# Altium PCB display.PcbDoc (part 3 of 5) (continued)
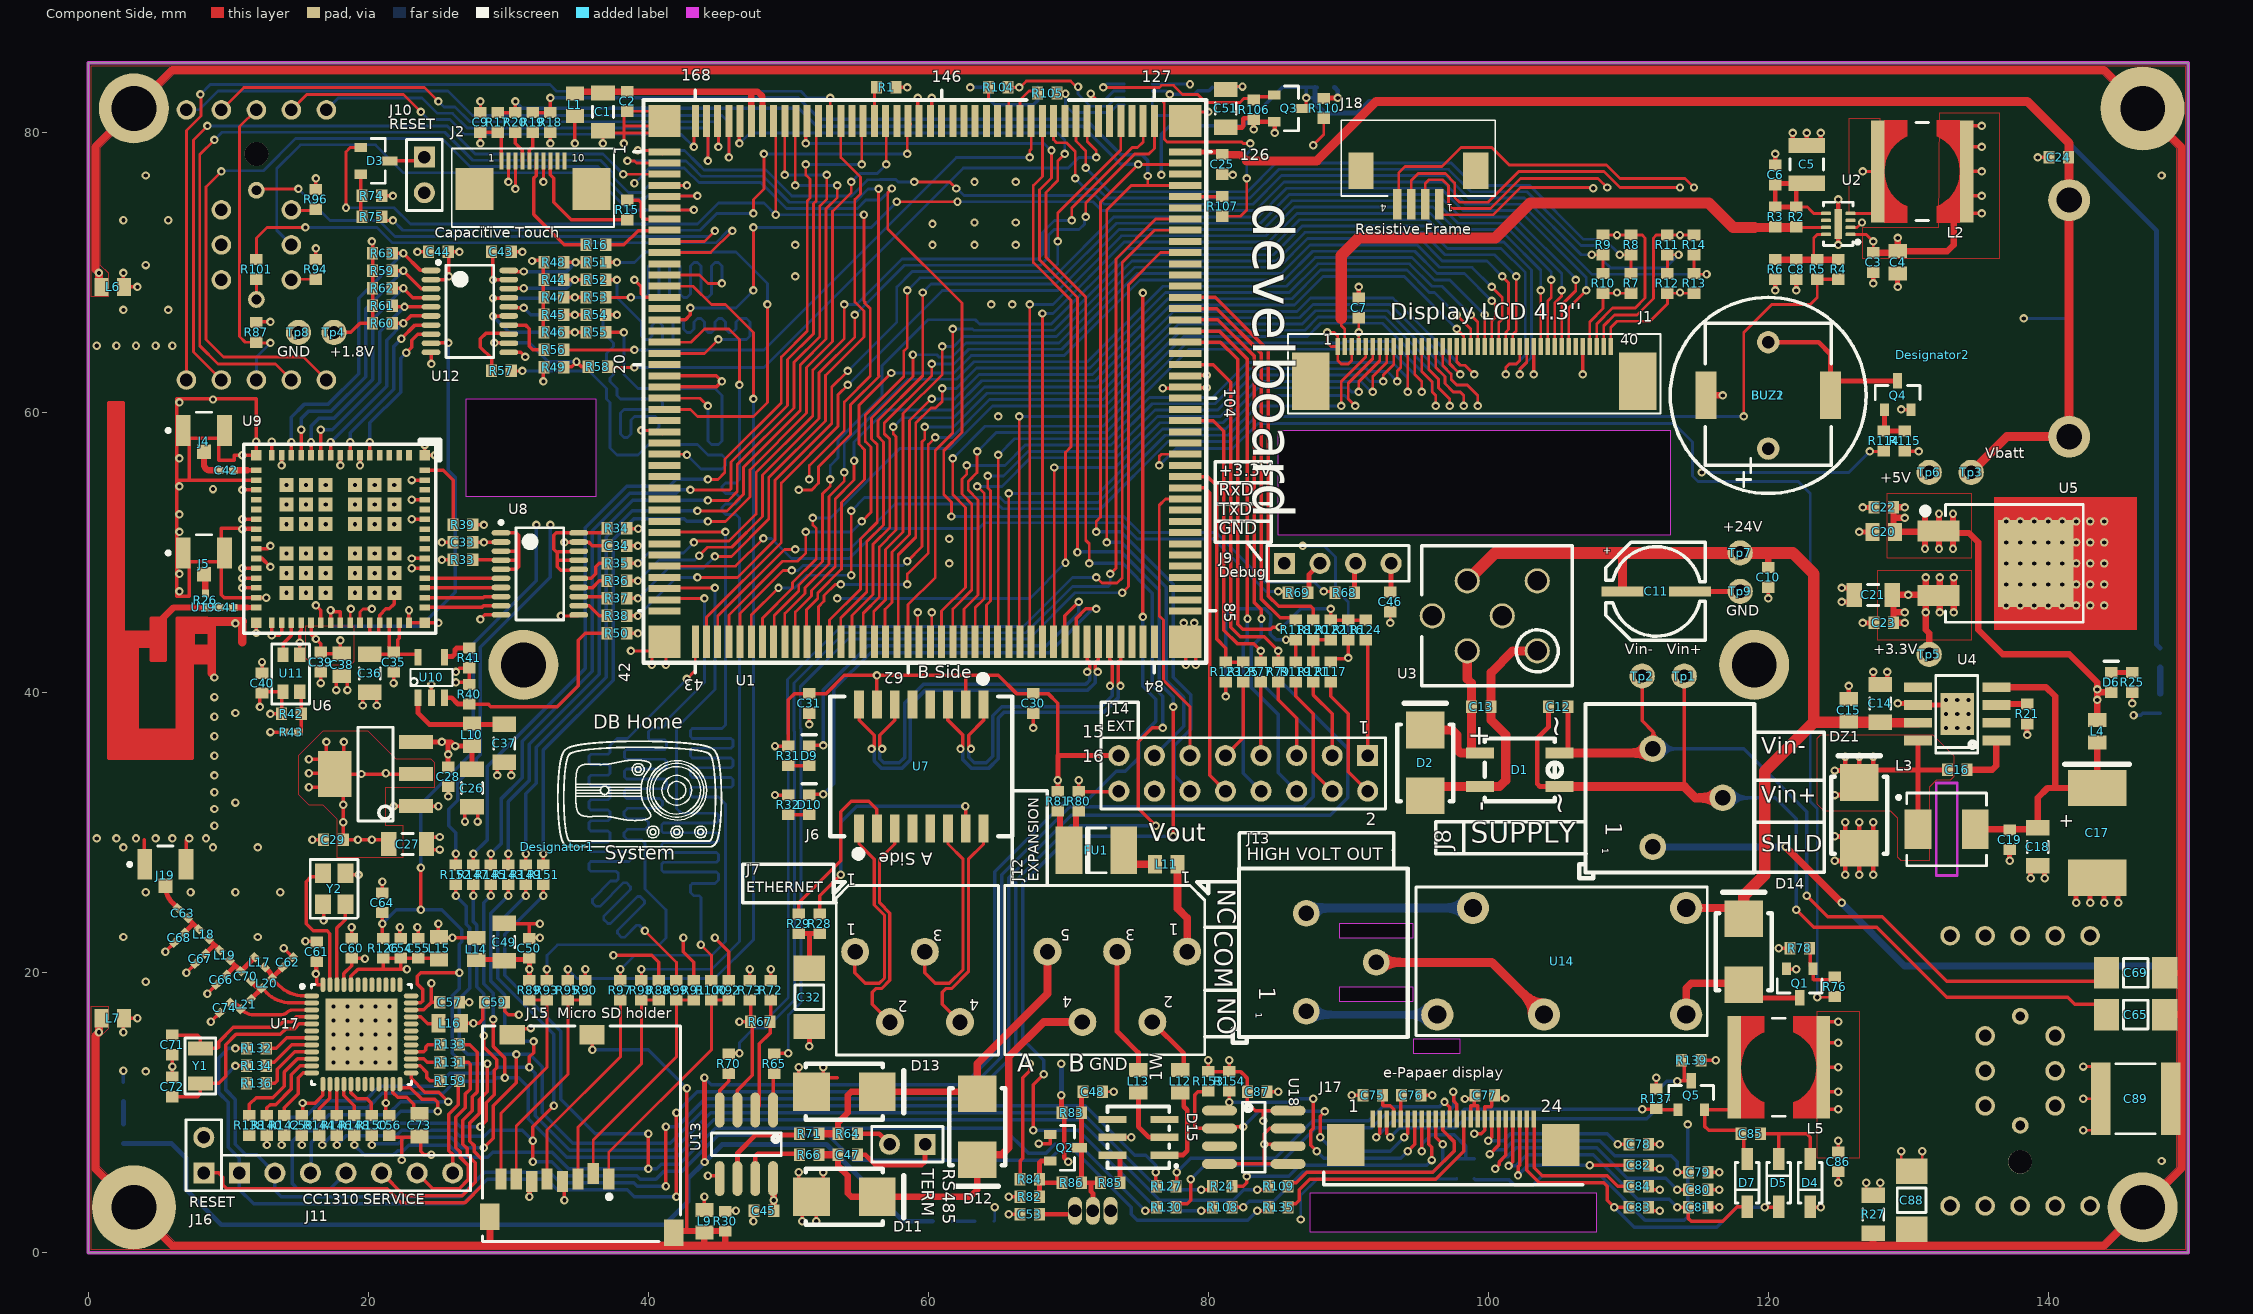
[diagram p0: Component Side view]
## Nets (pads, with @x,y where several pads share a name; then routed paths per layer and width w, separated by ;. In a path a pad name is that pad's centre, name@x,y a point inside that pad or via, vN(x,y) a via of type N, cw(c..) or ccw(c..) an arc to the next point about the centre after c; other vN are vias at no path point) (continued)
  Bottom Layer w0.35: D18.2@2.5,9.2 R112.1@2.5,10.8
NetD19_2: D19.2 R113.1 | length 1.8
  Bottom Layer w0.45: R113.1@148,39.95 D19.2@148,41.8
NetFU1_1: FU1.1 R80.1 R81.1 | length 5.3
  Component Side w0.45: FU1.1@69.4,29.25 R81.1@69.4,31.6 ; FU1.1@70.05,28.75 FU1.1@70.5,29.2 ; FU1.1@70.55,29.2 R80.1@70.55,31.55
NetFU1_2: FU1.2 L11.1 | length 3.3
  Component Side w0.55: FU1.2@73.95,28.75 73.95,27.75 L11.1@76.2,27.75
NetJ1_37: J1.37 J18.1 R7.1 R10.1 | length 26.9
  Component Side w0.2: J18.1@96.5,74.9 96.5,74.15 100.35,74.15 102.3,76.1 107.45,76.1 v1(107.5,76.05) ; J1.37@107.25,64.74 107.25,66.5 108.2,67.45 R10.1@108.2,68.55 R7.1@110.2,68.55
  Inner w0.2: v1(107.5,76.05) 108.4,75.15 108.4,71 109.2,70.2 v1(109.2,68.6)
NetJ1_38: J1.38 J18.2 R8.1 R9.1 | length 33.8
  Component Side w0.2: J18.2@95.5,74.9 95.5,76.4 95.75,76.65 96.75,76.65 97.15,76.25 97.15,74.85 97.4,74.6 100.164,74.6 102.314,76.75 107.85,76.75 v1(108.5,76.1) ; J1.38@107.75,64.74 107.75,66.364 108.886,67.5 110.5,67.5 111.2,68.2 111.2,72.5 111,72.7 R8.1@110.2,72.7 108.7,72.7
  Inner w0.2: v1(108.5,76.1) 109.2,75.4 v1(109.2,72.7)
NetJ1_39: J1.39 J18.3 R11.1 R14.1 | length 40.1
  Component Side w0.2: J18.3@94.5,74.9 94.5,76.6 95,77.1 96.936,77.1 97.6,76.436 97.6,75.4 97.95,75.05 99.977,75.05 102.177,77.25 108.269,77.25 109.419,76.1 v1(113.7,76.1) ; J1.39@108.25,64.74 108.25,66.227 109.023,67 110.636,67 111.8,68.164 111.8,72.5 112,72.7 R11.1@112.8,72.7 R14.1@114.3,72.7
  Inner w0.2: v1(113.7,72.7) v1(113.7,76.1)
NetJ1_40: J1.40 J18.4 R12.1 R13.1 | length 42
  Component Side w0.2: J18.4@93.5,74.9 93.6,75 93.6,77.136 94.064,77.6 96.705,77.6 98.055,78.95 100.25,78.95 101.5,77.7 108.456,77.7 109.406,76.75 114.05,76.75 v1(114.7,76.1) ; J1.40@108.75,64.74 108.75,66.091 109.209,66.55 111.55,66.55 112.8,67.8 R12.1@112.8,68.55 R13.1@114.7,68.55
  Inner w0.2: v1(113.7,68.6) 114.4,69.3 114.4,75.8 v1(114.7,76.1)
NetJ2_4: J2.4 R20.1 | length 2.3
  Component Side w0.25: R20.1@30.5,80.05 30.5,79.25 31,78.75 J2.4@31,77.99
NetJ2_5: J2.5 R19.1 | length 2.2
  Component Side w0.25: J2.5@31.5,77.99 31.5,78.75 31.75,79 R19.1@31.75,80.05
NetJ2_6: J2.6 R16.1 | length 8.5
  Component Side w0.25: J2.6@32,77.99 32,76.954 31.825,76.779 31.825,74.175 34,72 R16.1@35.55,72
NetJ2_8: J2.8 R15.1 | length 8.8
  Component Side w0.25: J2.8@33,77.99 33,77 33.25,76.75 33.25,75.05 34.5,73.8 R15.1@38.5,73.8
NetJ5_3: J5.3 R26.1 | length 1.2
  Component Side w0.45: R26.1@8.35,47.1 J5.3@8.35,48.325
NetJ7_2: J7.2 R64.1 | length 2.6
  Component Side w0.35: R64.1@54.95,8.5 56.48,8.5 J7.2@57.23,7.75
NetJ9_2: J9.2 R69.2 | length 2.3
  Component Side w0.35: R69.2@87.2,47.25 87.2,48.47 J9.2@87.98,49.25
NetJ9_3: J9.3 R68.2 | length 2
  Component Side w0.35: R68.2@90.45,47.25 90.45,49.18 J9.3@90.52,49.25
NetJ12_1: J12.1 L11.2 | length 6.5
  Component Side w0.55: L11.2@77.8,27.75 77.8,24.6 78.489,23.911 J12.1@78.489,21.51
NetJ12_2: J12.2 L12.2 | length 4.4
  Component Side w0.35: J12.2@76.004,16.49 78.25,14.243 L12.2@78.25,13.05
NetJ12_3: J12.3 L13.2 | length 9.1
  Component Side w0.35: J12.3@73.489,21.51 73.489,15.811 75,14.3 L13.2@75,13.05
NetJ13_1: J13.1 U14.NO | length 9.5
  Bottom Layer w0.55: J13.1@87,17.25 87.25,17 96.345,17 U14.NO@96.36,17.015
NetJ13_2: J13.2 U14.COM | length 13.5
  Component Side w0.65: J13.2@92,20.75 100.245,20.75 U14.COM@103.98,17.015
NetJ13_3: J13.3 U14.NC | length 12.1
  Bottom Layer w0.65: J13.3@87,24.25 87.385,24.635 U14.NC@98.9,24.635
NetJ14_5: J14.5 R79.2 | length 6.1
  Component Side w0.25: R79.2@85,41.05 R79.2@85,40.8 85,39.5 86.31,38.19 J14.5@86.31,35.52
NetJ14_7: J14.7 R77.2 | length 5.5
  Component Side w0.25: J14.7@83.75,35.54 R77.2@83.75,40.8 R77.2@83.75,41.05
NetJ17_8: J17.8 R22.1 R23.1 | length 8.7
  Component Side w0.25: v1(95.25,7.25) J17.8@95.25,9.56
  Bottom Layer w0.25: v1(95.25,7.25) 95.25,7.75 95.925,8.425 97.575,8.425 98.375,7.625 98.375,6.7 ; R23.1@97.75,6.7 98.375,6.7 ; R22.1@99,6.7 98.375,6.7
NetJ17_9: J17.9 R24.1 | length 18.3
  Component Side w0.25: R24.1@81.7,4.75 82.5,4.75 82.75,5 v1(82.75,5.457) ; J17.9@95.75,9.56 95.75,7.75 95.961,7.539 v1(95.961,6.618)
  Bottom Layer w0.25: v1(82.75,5.457) 85.75,5.457 86.543,6.25 95.593,6.25 v1(95.961,6.618)
NetJ17_10: J17.10 R108.1 | length 19.7
  Component Side w0.25: R108.1@81.7,3.25 v1(82.5,3.25) ; J17.10@96.25,9.56 96.25,8.25 v1(96.75,7.75)
  Bottom Layer w0.25: v1(82.5,3.25) 82.925,3.675 84.675,3.675 86.75,5.75 96.048,5.75 96.75,6.452 v1(96.75,7.75)
NetJ17_11: J17.11 R109.1 | length 15.6
  Component Side w0.25: R109.1@85.7,4.75 85.95,5 86.28,5 87.03,5.75 96.048,5.75 97.586,7.288 97.586,7.914 96.75,8.75 J17.11@96.75,9.56
NetJ17_12: J17.12 R127.1 | length 23.6
  Component Side w0.25: R127.1@77.7,4.75 77.75,4.8 v1(77.75,5.75) ; v1(96.875,10.782) 97.25,10.406 J17.12@97.25,9.56
  Bottom Layer w0.25: v1(77.75,5.75) 78.75,6.75 84.793,6.75 87.468,9.425 88.487,9.425 91.468,9.425 92.468,10.425 96.518,10.425 v1(96.875,10.782)
NetJ17_13: J17.13 R130.1 | length 26.7
  Component Side w0.25: R130.1@77.7,3.5 78.5,3.5 78.75,3.75 v1(78.75,5.25) ; v1(97.5,11.5) 97.55,11.45 97.55,10.814 97.75,10.614 J17.13@97.75,9.56
  Bottom Layer w0.25: v1(78.75,5.25) 79.75,6.25 85,6.25 87.675,8.925 88.28,8.925 91.675,8.925 92.675,9.925 96.973,9.925 97.55,10.502 97.55,11.45 v1(97.5,11.5)
NetJ17_14: J17.14 R135.1 | length 16.9
  Component Side w0.25: R135.1@85.7,3.5 86.25,3.5 86.5,3.75 86.5,4.513 87.237,5.25 96.255,5.25 98.25,7.245 98.25,7.75 J17.14@98.25,9.56
NetQ1_1: Q1.1 R76.1 R78.2 | length 4
  Component Side w0.25: R78.2@122.95,21.75 123,21.7 123,20.5 123.206,20.294 Q1.1@123.25,20.25 ; Q1.1@123.2,20.288 123.2,19.55 123.25,19.5 R76.1@124.75,19.5
  Component Side w0.35: Q1.1@123.2,20.288 123.206,20.294 Q1.1@123.25,20.337
NetQ2_2: Q2.2 R82.1 R84.1 R86.1 | length 4.6
  Component Side w0.35: R82.1@67.95,4 R84.1@67.95,5.25 67.95,6.45 68.05,6.55 Q2.2@68.712,6.55 ; R84.1@68.2,5 R86.1@69.55,5
NetQ3_1: Q3.1 R106.2 U15.8 | length 14.7
  Component Side w0.2: v1(72.5,83.25) 76.5,83.25 76.65,83.4 77.519,83.4 78.169,82.75 79.245,82.75 79.82,82.175 82.255,82.175 82.53,82.45 R106.2@83.25,82.45
  Component Side w0.25: R106.2@83.125,82.575 84.588,82.575 Q3.1@84.712,82.7
  Bottom Layer w0.2: v1(72.5,83.25) 72.75,83.5 U15.8@74,83.5
NetQ4_1: Q4.1 R114.1 R115.1 | length 3
  Component Side w0.35: Q4.1@128.3,60.212 128.3,58.75 R114.1@128.25,58.7 R115.1@129.75,58.7
NetR21_2: R21.2 U4.3 | length 2.2
  Component Side w0.45: U4.3@136.3,39.135 136.365,39.2 R21.2@138.5,39.2
NetR28_2: R28.2 U7.7 | length 18.1
  Component Side w0.25: R28.2@52.25,24.2 52.25,25.5 v1(53.75,27) ; v1(62.65,31.9) 62.675,31.875 U7.7@62.675,30.32
  Bottom Layer w0.25: v1(53.75,27) 53.75,30.75 54.9,31.9 v1(62.65,31.9)
NetR29_2: R29.2 U7.2 | length 13
  Component Side w0.25: R29.2@50.75,24.2 50.75,25 53.75,28 53.75,31.5 54.5,32.25 55.75,32.25 56.325,31.675 U7.2@56.325,30.32
NetR33_1: R33.1 U8.1 U8.3 U8.4 U8.5 | length 9.4
  Component Side w0.25: R33.1@27.45,49.5 U8.4@29.45,49.5 ; U8.5@29.475,48.825 30.575,48.825 30.75,49 30.75,49.5 ; U8.4@29.475,49.475 30.725,49.475 30.75,49.5 ; U8.3@29.475,50.125 30.625,50.125 ; U8.1@29.475,51.425 30.575,51.425 30.75,51.25 30.75,49.5
NetR34_1: R34.1 U8.16 U8.17 U8.18 U8.20 | length 11.2
  Component Side w0.25: U8.16@35.025,48.825 34.95,48.75 33.75,48.75 33.5,49 33.5,49.575 ; U8.17@35.025,49.475 33.6,49.475 33.5,49.575 ; U8.18@35.025,50.125 35.025,50.075 33.575,50.075 33.5,50 ; R34.1@37.05,51.75 36.725,51.425 U8.20@35.025,51.425 33.425,51.425 33.25,51.25 33.25,50.25 33.5,50 ; 33.5,49.575 33.5,50
NetR39_1: R39.1 U9.64 | length 5.5
  Component Side w0.25: U9.64@24.025,55.9 25.35,55.9 26.05,55.2 R39.1@26.05,52
NetR41_1: R41.1 U10.4 | length 2.2
  Component Side w0.35: U10.4@25.45,42.55 25.5,42.6 26,42.6 26.2,42.8 26.2,43.1 26.3,43.2 R41.1@27.2,43.2
NetR42_2: R42.2 R43.2 U11.1 | length 2.9
  Component Side w0.25: U11.1@15.1,40.075 15.2,39.975 R42.2@15.2,38.5 R43.2@15.2,37.2
NetR44_2: R44.2 R52.1 U12.18 | length 6.5
  Component Side w0.25: U12.18@30.1,68.9 v1(31.1,68.9) ; R44.2@33.95,69.5 v1(34.75,69.5) R52.1@35.55,69.5
  Bottom Layer w0.25: v1(31.1,68.9) 34.15,68.9 v1(34.75,69.5)
NetR45_2: R45.2 R54.1 U12.16 | length 6.5
  Component Side w0.25: U12.16@30.1,67.5 v1(31.1,67.5) ; R45.2@33.95,67 v1(34.75,67) R54.1@35.55,67
  Bottom Layer w0.25: v1(31.1,67.5) 31.6,67 v1(34.75,67)
NetR46_2: R46.2 R55.1 U12.15 | length 8.9
  Component Side w0.25: v1(28.9,66.9) U12.15@29.9,66.9 ; R46.2@33.95,65.75 v1(34.75,65.75) R55.1@35.55,65.75
  Bottom Layer w0.25: v1(28.9,66.9) 30.05,65.75 v1(34.75,65.75)
NetR47_2: R47.2 R53.1 U12.17 | length 8.5
  Component Side w0.25: v1(28.9,68.2) U12.17@29.9,68.2 ; R47.2@33.95,68.25 v1(34.75,68.25) R53.1@35.55,68.25
  Bottom Layer w0.25: v1(28.9,68.2) 34.7,68.2 v1(34.75,68.25)
NetR48_2: R48.2 R51.1 U12.20 | length 6.6
  Component Side w0.25: U12.20@30.1,70.1 v1(31.1,70.1) ; R48.2@33.95,70.75 v1(34.8,70.75) R51.1@35.55,70.75
  Bottom Layer w0.25: v1(31.1,70.1) 34.15,70.1 v1(34.8,70.75)
NetR49_2: R49.2 R58.1 U12.12 | length 9.4
  Component Side w0.25: v1(29,65) U12.12@30,65 ; R49.2@34.039,63.3 34.519,63.3 v1(34.869,63.65) 35.219,63.3 R58.1@35.7,63.3
  Bottom Layer w0.25: v1(29,65) 31.5,65 32.85,63.65 v1(34.869,63.65)
NetR56_1: R56.1 U12.14 | length 4
  Component Side w0.25: U12.14@30.025,66.275 31.225,66.275 31.5,66 31.5,64.75 31.75,64.5 R56.1@32.55,64.5
NetR57_1: R57.1 U12.13 | length 4.9
  Component Side w0.25: R57.1@28.8,63 28.8,63.9 28,64.7 28,65.3 28.375,65.675 30.025,65.675 U12.13@30.025,65.625
NetR65_1: R65.1 U13.1 | length 2.6
  Component Side w0.25: U13.1@48.905,10.2 48.905,12.705 R65.1@49,12.8
NetR66_1: R66.1 U13.7 | length 4.9
  Component Side w0.35: U13.7@47.635,5.3 47.635,6.885 47.825,7.075 50.725,7.075 R66.1@50.8,7
NetR67_1: R67.1 R72.2 U13.2 | length 8.3
  Component Side w0.25: U13.2@47.635,10.2 47.925,10.49 47.925,14.925 48.7,15.7 R67.1@48.7,16.5 48.75,16.55 R72.2@48.75,18.05
NetR70_1: R70.1 U13.4 | length 2.6
  Component Side w0.25: U13.4@45.095,10.5 45.095,11.595 45.75,12.25 R70.1@45.75,12.8
NetR71_1: R71.1 U13.6 | length 6.9
  Component Side w0.35: U13.6@46.365,5.3 46.365,7.115 47.675,8.425 50.8,8.425 R71.1@50.8,8.5
NetR87_2: R87.2 S2.C S3.C | length 22.3
  Component Side w0.2: S2.C@12,81.65 10.8,80.45 10.8,65.45 11.2,65.05 R87.2@12,65.05 12.05,65 v1(13,65)
  Bottom Layer w0.2: S2.C@12,62.35 12,64 v1(13,65) ; S2.C@12,81.5 S2.C@12,81.65
NetR102_2: R102.2 R105.1 U15.5 | length 6.3
  Bottom Layer w0.2: R102.2@69.2,83.25 69.65,82.8 v1(69.8,82.8) 69.8,81.95 70.3,81.45 72.973,81.45 73.523,82 U15.5@74,82
NetR103_2: R103.2 R104.1 U15.6 | length 10.4
  Component Side w0.2: R104.1@65.7,83.25 66.55,83.25 67,83.7 70.169,83.7 v1@70.56,83.31
  Bottom Layer w0.2: R103.2@65.7,83.25 v1(66.5,83.25) ; v1(70.7,83.3) 70.7,82.78 71.58,81.9 72.786,81.9 73.386,82.5 U15.6@74,82.5
NetR107_1: R107.1 U15.7 | length 24.3
  Component Side w0.2: v1(71.6,82.8) 72.05,82.35 76.65,82.35 76.85,82.15 76.85,79.555 77.055,79.35 82.4,79.35 82.5,79.25 v1(83,79.25) ; R107.1@81,74.05 82.3,74.05 82.75,74.5 v1(82.75,76.75)
  Bottom Layer w0.2: v1@71.55,82.75 71.5,82.8 71.6,82.9 v1(71.6,82.8) 72.05,82.35 72.6,82.35 73.25,83 U15.7@74,83 ; v1(82.75,76.75) 82.75,78.5 83,78.75 v1(83,79.25)
NetR118_1: R118.1 R119.2 R123.1 | length 15.4
  Component Side w0.25: v1(81.25,39.75) R123.1@81.25,40.8 81.25,40.95 81.3,41 R123.1@81.25,41.05 ; v1@85.45,43.7 v1@85.545,43.795 ; v1(85.548,43.795) v1@85.545,43.795 ; R119.2@86.25,42.45 R118.1@86.25,43.6 ; R118.1@86.25,43.8 85.55,43.8 v1@85.545,43.795
  Bottom Layer w0.25: v1(81.25,39.75) 81.25,45.55 81.7,46 84.054,46 84.475,45.58 84.475,45.02 84.429,44.975 84.429,44.2 84.834,43.795 v1(85.548,43.795)
NetR120_1: R120.1 R121.2 R122.1 | length 2.6
  Component Side w0.25: R121.2@87.5,42.45 R120.1@87.5,43.8 R122.1@88.75,43.8
NetR131_2: R131.2 U17.27 | length 2.1
  Component Side w0.25: U17.27@23.05,13.85 23.95,13.85 24.2,13.6 R131.2@25.05,13.6
NetR132_1: R132.1 U17.7 | length 3.6
  Component Side w0.25: R132.1@12.7,14.6 13.414,14.6 14.164,15.35 15,15.35 U17.7@15.95,15.35
NetR133_2: R133.2 U17.28 | length 2.3
  Component Side w0.25: U17.28@23.05,14.35 23.95,14.35 24.1,14.5 24.1,14.7 24.25,14.85 R133.2@25.05,14.85
NetR134_1: R134.1 U17.8 | length 3.9
  Component Side w0.25: R134.1@12.7,13.35 12.95,13.6 13.272,13.6 14.522,14.85 U17.8@15.95,14.85
NetR136_1: R136.1 U17.9 | length 4.7
  Component Side w0.25: R136.1@12.7,12.1 13.3,12.1 13.5,12.3 13.5,13.121 14.729,14.35 U17.9@15.95,14.35
NetR138_1: R138.1 U17.10 | length 7.2
  Component Side w0.25: R138.1@11.5,9.8 11.5,10.6 11.975,11.075 13.168,11.075 14,11.907 14,12.914 14.936,13.85 U17.10@15.95,13.85
NetR140_1: R140.1 U17.11 | length 5.6
  Component Side w0.25: R140.1@12.75,9.8 12.75,10.35 12.975,10.575 13.375,10.575 14.5,11.7 14.5,12.707 15.143,13.35 U17.11@15.95,13.35
NetR142_1: R142.1 U17.12 | length 4.2
  Component Side w0.25: R142.1@14,9.8 14,10.355 15,11.355 15,12.5 15.35,12.85 U17.12@15.95,12.85
NetR144_1: R144.1 U17.14 | length 2.6
  Component Side w0.25: R144.1@16.5,9.8 16.5,10.3 17.25,11.05 U17.14@17.25,12.05
NetR146_1: R146.1 U17.15 | length 2.3
  Component Side w0.25: R146.1@17.75,9.8 U17.15@17.75,12.05
NetR148_1: R148.1 U17.16 | length 2.6
  Component Side w0.25: U17.16@18.25,12.05 18.25,11.243 19,10.493 R148.1@19,9.8
NetR150_1: R150.1 U17.17 | length 3.3
  Component Side w0.25: U17.17@18.75,12.05 18.75,11.45 19.2,11 19.9,11 20.2,10.7 20.2,9.85 R150.1@20.25,9.8
NetR159_1: R159.1 U17.26 | length 2.7
  Component Side w0.25: U17.26@23.05,13.35 23.705,13.35 24.155,12.9 24.155,12.545 24.4,12.3 R159.1@25.1,12.3
NetTp11_1: Tp11.1 U9.43 | length 1.7
  Component Side w0.2: U9.43@19.4,45.025 19.4,45.775 19.625,46 v1(20.25,46)
NetTp12_1: Tp12.1 U9.42 | length 1
  Component Side w0.2: U9.42@18.7,45.025 18.7,45.95 v1(18.75,46)
NetTp13_1: Tp13.1 U9.26 | length 1.1
  Component Side w0.25: U9.26@11.975,50.3 12.8,50.3 v1(13,50.5)
NetTp14_1: Tp14.1 U9.27 | length 1.3
  Component Side w0.25: U9.27@11.975,49.6 12.4,49.6 v1(13,49)
NetU8_6: U8.6 U9.53 | length 5.4
  Component Side w0.25: U9.53@24.025,48.2 U8.6@29.45,48.2
NetU8_7: U8.7 U9.52 | length 5.5
  Component Side w0.25: U9.52@24.025,47.5 29.45,47.5 U8.7@29.475,47.525
NetU8_8: U8.8 U9.51 | length 5.5
  Component Side w0.25: U9.51@24.025,46.8 28.2,46.8 28.275,46.875 U8.8@29.475,46.875
NetU8_9: U8.9 U9.50 | length 5.5
  Component Side w0.25: U9.50@24.025,46.1 28.1,46.1 28.225,46.225 U8.9@29.475,46.225
NetU9_36: U9.36 U11.3 | length 2.5
  Component Side w0.25: U11.3@13.9,42.725 13.9,43.5 14.5,44.1 U9.36@14.5,45.025
NetU17_46: U17.46 Y2.1 | length 5.7
  Component Side w0.25: U17.46@17.75,19.15 17.75,23.2 18.35,23.8 Y2.1@18.35,24.65
NetU17_47: U17.47 Y2.3 | length 10
  Component Side w0.25: Y2.3@16.75,26.85 15.9,26.85 15.55,26.5 15.55,23.5 16.05,23 17.05,23 17.25,22.8 U17.47@17.25,19.15
PA0_LCDDAT0_TMS_A7: J1.21 U1.61 | length 65.1
  Component Side w0.2: U1.61@57.75,43.65 57.85,43.75 57.85,49.869 59.1,51.119 59.1,59.269 60.181,60.35 60.519,60.35 61,60.831 v1(61,61.75) ; v1(98.75,67) 99.25,66.5 J1.21@99.25,64.74
  Bottom Layer w0.2: v1(61,61.75) 61.995,61.75 63.445,63.2 71.546,63.2 76.946,68.6 85.782,68.6 87.832,70.65 94.372,70.65 95.972,69.05 96.7,69.05 v1(98.75,67)
PA1_LCDDAT1_F6: J1.22 U1.51 | length 71.2
  Component Side w0.2: U1.51@49.75,43.65 49.75,45.659 51.2,47.109 51.2,47.508 52.9,49.208 52.9,54.036 54,55.136 v1(54,55.75) ; J1.22@99.75,64.74 v1(99.75,67)
  Bottom Layer w0.2: v1(54,55.75) 54,57.864 58.536,62.4 62.009,62.4 63.259,63.65 71.359,63.65 76.759,69.05 85.596,69.05 87.646,71.1 94.559,71.1 96.159,69.5 97.25,69.5 v1(99.75,67)
PA2_LCDDAT2_G1_TXCK_E6: J1.23 U1.53 | length 73.5
  Component Side w0.2: U1.53@51.35,43.65 51.3,43.7 51.3,45.936 52.1,46.736 52.1,47.135 53.8,48.835 53.8,53.6 55.45,55.25 55.45,57.368 55.05,57.768 55.05,60.55 v1(57.35,62.85) ; J1.23@100.25,64.74 100.25,66.581 100.5,66.831 100.5,67.75 v1(100.25,68)
  Bottom Layer w0.2: v1(57.35,62.85) 61.822,62.85 63.072,64.1 69.714,64.1 75.114,69.5 85.41,69.5 87.46,71.55 94.745,71.55 96.345,69.95 98.3,69.95 v1(100.25,68)
PA3_LCDDAT3_G1_RXCK_C6: J1.24 U1.57 | length 72
  Component Side w0.2: U1.57@54.55,43.65 54.55,45.527 56.05,47.027 56.05,49.517 56.05,50.615 57.25,51.815 57.25,58.114 56.85,58.514 56.85,59.269 60.25,62.669 v1(60.25,63.5) ; v1(100.25,69) 101,68.25 101,66.694 100.75,66.444 J1.24@100.75,64.74
  Bottom Layer w0.2: v1(60.25,63.5) 61.836,63.5 62.886,64.55 69.528,64.55 74.928,69.95 85.223,69.95 87.273,72 94.932,72 96.532,70.4 98.85,70.4 v1(100.25,69)
PA4_LCDDAT4_G1_TXEN_D6: J1.25 U1.55 | length 75.4
  Component Side w0.2: U1.55@52.95,43.65 52.95,45.2 55.15,47.4 55.15,49.889 55.15,50.988 56.35,52.188 56.35,57.741 55.95,58.141 55.95,59.642 58.9,62.592 v1(58.9,64.15) ; v1(101,69.75) 101.45,69.3 101.45,65.95 101.25,65.75 J1.25@101.25,64.74
  Bottom Layer w0.2: v1(58.9,64.15) 60.6,64.15 60.75,64 61.7,64 62.7,65 69.341,65 74.741,70.4 85.037,70.4 87.087,72.45 95.118,72.45 96.718,70.85 99.9,70.85 v1(101,69.75)
PA5_LCDDAT5_G1_TXER_B6: J1.26 U1.59 | length 73.9
  Component Side w0.2: U1.59@56.15,43.65 56.1,43.7 56.1,45.804 56.95,46.654 56.95,49.869 56.95,50.242 58.2,51.492 58.2,59.95 61,62.75 v1(61,64.75) ; J1.26@101.75,64.74 101.75,65.614 102,65.863 v1(102,69.75)
  Bottom Layer w0.2: v1(61,64.75) 61.813,64.75 62.513,65.45 69.155,65.45 74.555,70.85 84.85,70.85 86.9,72.9 95.304,72.9 96.904,71.3 100.45,71.3 v1(102,69.75)
PA6_LCDDAT6_G1_CRS_A6: J1.27 U1.62 | length 79.9
  Component Side w0.2: U1.62@58.55,43.65 58.55,46.3 60.5,48.25 60.5,57.331 61.75,58.581 v1(61.75,66) ; v1(101.25,62.75) 101.25,63.25 101.5,63.5 102,63.5 102.25,63.75 J1.27@102.25,64.74
  Bottom Layer w0.2: v1(61.75,66) 63.15,66 63.25,65.9 68.968,65.9 74.368,71.3 84.664,71.3 86.714,73.35 95.491,73.35 97.091,71.75 100.919,71.75 102.65,70.019 102.65,64.15 102,63.5 101.5,63.5 101.25,63.25 v1(101.25,62.75)
PA7_LCDDAT7_E5: J1.28 U1.50 | length 85.4
  Component Side w0.2: U1.50@48.95,43.65 49,43.7 49,45.546 50.75,47.296 50.75,47.694 52.45,49.394 52.45,54.223 53,54.773 v1(53,55.25) ; v1(102.25,62.75) 102.25,63.114 102.75,63.614 J1.28@102.75,64.74
  Bottom Layer w0.2: v1(53,55.25) 53,56.25 53.55,56.8 53.55,58.05 56.7,61.2 56.7,63.369 59.981,66.65 63.35,66.65 63.65,66.35 68.782,66.35 74.182,71.75 84.478,71.75 86.528,73.8 95.677,73.8 97.277,72.2 101.105,72.2 103.1,70.205 103.1,63.963 102.25,63.114 v1(102.25,62.75)
PA8_LCDDAT8_TCK_A5: J1.13 U1.65 | length 59.5
  Component Side w0.2: U1.65@60.95,43.65 60.95,45.836 62.65,47.536 62.65,53.25 61.75,54.15 v1(61.75,56.75) ; J1.13@95.25,64.74 95.25,62.968 96,62.218 96,61.5 96.25,61.25 v1(96.25,60.5)
  Bottom Layer w0.2: v1(61.75,56.75) 64.05,59.05 72.487,59.05 78.437,65 89.717,65 89.817,65.1 93.104,65.1 95.977,62.227 95.977,61.523 96.25,61.25 v1(96.25,60.5)
PA9_LCDDAT9_G1_COL_F4: J1.14 U1.72 | length 57.3
  Component Side w0.2: v1@66.5,59.5 66.5,43.7 U1.72@66.55,43.65 ; J1.14@95.75,64.74 95.75,63.104 96.45,62.405 96.45,61.8 97.25,61 v1(97.25,60.5)
  Bottom Layer w0.2: v1(66.5,59.75) 72.55,59.75 78.25,65.45 87.087,65.45 88.037,66.4 92.441,66.4 96.427,62.414 96.427,61.823 97.25,61 v1(97.25,60.5)
PA10_LCDDAT10_G1_RXDV_F5: J1.15 U1.49 | length 71.7
  Component Side w0.2: U1.49@48.15,43.65 48.15,45.332 50.3,47.482 50.3,47.881 52,49.581 52,51.75 51.75,52 v1(51.75,52.5) ; J1.15@96.25,64.74 96.25,63.241 96.9,62.591 96.9,62.1 97.5,61.5 98,61.5 98.25,61.25 v1(98.25,60.5)
  Bottom Layer w0.2: v1(51.75,52.5) 53,52.5 57.96,57.46 61.54,57.46 64.581,60.5 72.664,60.5 78.064,65.9 86.901,65.9 87.851,66.85 92.627,66.85 96.9,62.577 96.9,62.1 97.5,61.5 98,61.5 98.25,61.25 v1(98.25,60.5)
PA11_LCDDAT11_G1_RXER_D5: J1.16 U1.54 | length 73.1
  Component Side w0.2: U1.54@52.15,43.65 52.15,46.15 52.55,46.55 52.55,46.949 53.351,47.75 v1(53.75,47.75) ; v1(58.5,47.75) 58.5,48.481 60,49.981 60,57.75 v1(60.5,58.25) ; J1.16@96.75,64.74 96.75,63.377 97.35,62.777 97.35,62.4 97.75,62 98.5,62 99.25,61.25 v1(99.25,60.5)
  Bottom Layer w0.2: v1(53.75,47.75) 58.65,47.75 v1(58.5,47.75) ; v1(60.5,58.25) 61.677,58.25 64.377,60.95 72.478,60.95 77.878,66.35 86.714,66.35 87.664,67.3 92.814,67.3 97.35,62.764 97.35,62.4 97.75,62 98.5,62 99.25,61.25 v1(99.25,60.5)
PA12_LCDDAT12_G1_RX0_G5: J1.17 U1.47 | length 71.9
  Component Side w0.2: U1.47@46.55,43.65 46.55,45.669 49.631,48.75 v1(50.25,48.75) ; v1(58.5,49.4) 59.55,50.45 59.55,57.936 59.75,58.137 v1(59.75,59) ; J1.17@97.25,64.74 97.25,63.514 97.814,62.95 97.823,62.95 98,62.773 v1(98,62.75)
  Bottom Layer w0.2: v1(50.25,48.75) 50.7,48.75 51.05,49.1 58.2,49.1 v1(58.5,49.4) ; v1(59.75,59) 61.791,59 64.191,61.4 72.291,61.4 77.691,66.8 86.528,66.8 87.478,67.75 93,67.75 v1(98,62.75)
PA13_LCDDAT13_G1_RX1_C5: J1.18 U1.58 | length 66.7
  Component Side w0.2: U1.58@55.35,43.65 55.35,45.691 56.5,46.841 56.5,49.33 56.5,50.428 57.7,51.628 57.7,58.3 57.5,58.5 v1(57.5,59) ; J1.18@97.75,64.74 97.75,63.65 98,63.4 98.35,63.4 v1(99,62.75)
  Bottom Layer w0.2: v1(57.5,59) 58.15,59.65 61.804,59.65 64.004,61.85 72.105,61.85 77.505,67.25 86.342,67.25 87.291,68.2 93.186,68.2 93.386,68 93.4,68 98,63.4 98.35,63.4 v1(99,62.75)
PA14_LCDDAT14_G1_TX0_E4: J1.19 U1.52 | length 67.3
  Component Side w0.2: U1.52@50.55,43.65 50.5,43.7 50.5,45.773 51.65,46.923 51.65,47.322 53.35,49.022 53.35,53.85 54.7,55.2 v1(54.7,56.581) ; v1(97.75,66) 98.25,65.5 J1.19@98.25,64.74
  Bottom Layer w0.2: v1@54.5,56.581 v1@54.7,56.781 ; v1(54.7,56.581) v1@54.7,56.781 ; v1(97.75,66) 94,69.75 88.205,69.75 86.155,67.7 77.318,67.7 71.918,62.3 63.818,62.3 61.718,60.2 56.973,60.2 54.7,57.927 v1@54.7,56.781
PA15_LCDDAT15_G1_TX1_B5: J1.20 U1.60 | length 64.1
  Component Side w0.2: U1.60@56.95,43.65 56.9,43.7 56.9,45.968 57.4,46.468 57.4,50.056 58.65,51.306 58.65,59.456 60.194,61 v1(60.25,61) ; v1(97.75,67) 98.75,66 J1.20@98.75,64.74
  Bottom Layer w0.2: v1(60.25,61) 61.882,61 63.632,62.75 71.732,62.75 77.132,68.15 85.969,68.15 88.019,70.2 94.186,70.2 95.786,68.6 96.149,68.6 v1@97.75,67
PA16_LCDDAT16_NTRST_H6: J1.5 U1.48 | length 58.2
  Component Side w0.2: U1.48@47.35,43.65 47.35,45.55 v1(49.3,47.5) ; v1(54.5,48.4) v1(54.5,53) ; v1(89.5,60.5) 89.5,62.25 91.25,64 J1.5@91.25,64.74
  Bottom Layer w0.2: v1(49.3,47.5) 50.436,47.5 51.336,48.4 v1(54.5,48.4) ; v1(54.5,53) 55.45,53.95 65.131,53.95 65.481,53.6 72.128,53.6 76.928,58.4 81.418,58.4 83.518,60.5 v1(89.5,60.5)
PA17_LCDDAT17_D4: J1.6 U1.71 | length 43.8
  Component Side w0.2: U1.71@65.75,43.65 65.8,43.7 65.75,43.75 v1(65.75,54.25) ; v1(90.5,60.5) 90,61 90,62.113 91.75,63.864 J1.6@91.75,64.74
  Bottom Layer w0.2: v1(65.75,54.25) 72.141,54.25 76.741,58.85 81.232,58.85 83.632,61.25 89.75,61.25 v1(90.5,60.5)
PA18_LCDDAT18_G1_RX2_G4: J1.7 U1.75 | length 40.6
  Component Side w0.2: U1.75@68.95,43.65 69,43.7 v1(69,56.1) ; v1(90.75,61.5) 90.75,62.227 92.25,63.727 J1.7@92.25,64.74
  Bottom Layer w0.2: v1(69,56.1) 73.355,56.1 76.555,59.3 81.046,59.3 83.546,61.8 89.95,61.8 90.25,61.5 v1(90.75,61.5)
PA19_LCDDAT19_G1_RX3_C4: J1.8 U1.68 | length 46.9
  Component Side w0.2: U1.68@63.35,43.65 63.35,46.1 64,46.75 64,54.25 v1(63.5,54.75) ; v1(91.75,61.5) 91.75,62.591 92.75,63.591 J1.8@92.75,64.74
  Bottom Layer w0.2: v1(63.5,54.75) 65.25,54.75 67.3,56.8 73.419,56.8 76.369,59.75 80.859,59.75 83.359,62.25 90.919,62.25 91.669,61.5 v1(91.75,61.5)
PA20_LCDDAT20_G1_TX2_A3: J1.9 U1.69 | length 46.3
  Component Side w0.2: U1.69@64.15,43.65 64.15,46.264 64.45,46.564 64.45,54.436 64.25,54.636 v1(64.25,55.5) ; v1(92.5,62.25) 92.5,62.704 93.25,63.454 J1.9@93.25,64.74
  Bottom Layer w0.2: v1(64.25,55.5) 65.364,55.5 67.114,57.25 73.232,57.25 76.182,60.2 80.673,60.2 83.173,62.7 91.105,62.7 91.555,62.25 v1(92.5,62.25)
PA21_LCDDAT21_G1_TX3_B4: J1.10 U1.66 | length 50.2
  Component Side w0.2: U1.66@61.75,43.65 61.75,46 63.1,47.35 63.1,53.5 62.4,54.2 62.4,55.286 62.75,55.636 v1(62.75,56.25) ; v1(93.5,62.25) 93.5,63 93.75,63.25 J1.10@93.75,64.74
  Bottom Layer w0.2: v1(62.75,56.25) 65.477,56.25 66.927,57.7 73.046,57.7 75.996,60.65 80.486,60.65 82.986,63.15 91.292,63.15 91.492,62.95 92.8,62.95 v1(93.5,62.25)
PA22_LCDDAT22_G1_MDC_B3: J1.11 U1.70 | length 50.1
  Component Side w0.2: U1.70@64.95,43.65 65,43.7 v1(65,57) ; v1(94.25,61.5) J1.11@94.25,64.74
  Bottom Layer w0.2: v1(65,57) 66.15,58.15 72.86,58.15 75.81,61.1 80.3,61.1 82.8,63.6 93.15,63.6 94.25,62.5 v1(94.25,61.5)
PA23_LCDDAT23_G1_MDIO_A4: J1.12 U1.67 | length 54.5
  Component Side w0.2: U1.67@62.55,43.65 62.55,46 63.55,47 63.55,53.781 62.85,54.481 62.85,55.1 63.481,55.731 63.481,57.231 v1(63.5,57.25) ; J1.12@94.75,64.74 94.75,62.75 95.25,62.25 v1(95.25,61.5)
  Bottom Layer w0.2: v1(63.5,57.25) 64.85,58.6 72.673,58.6 78.623,64.55 92.95,64.55 95.25,62.25 v1(95.25,61.5)
PA24_LCDPWM_PCK0_H5: R4.2 R5.1 U1.45 | length 96.4
  Component Side w0.2: U1.45@44.95,43.65 44.95,45.471 49.729,50.25 v1(50.5,50.25) ; v1(118.25,59.75) 118.25,65.75 120.25,67.75 123,67.75 123.5,68.25 R5.1@123.5,69.55
  Component Side w0.25: R5.1@123.5,69.55 R4.2@125,69.55
  Bottom Layer w0.2: v1(50.5,50.25) 54.364,50.25 57.614,53.5 64.944,53.5 65.294,53.15 72.314,53.15 77.114,57.95 81.605,57.95 83.405,59.75 v1(118.25,59.75)
PA25_LCDDISP_TD0_F3: J1.31 U1.73 | length 71.6
  Component Side w0.2: v1(67.25,67.75) 67.25,43.75 U1.73@67.35,43.65 ; J1.31@104.25,64.74 104.25,68 104.5,68.25 v1(104.5,69.5)
  Bottom Layer w0.2: v1(67.25,67.75) 68.909,67.75 73.809,72.65 84.105,72.65 86.155,74.7 96.05,74.7 97.65,73.1 101.478,73.1 104.5,70.078 v1(104.5,69.5)
PA26_LCDVSYNC_PWMH0_SP1_NPCS1_E3: J1.33 U1.56 | length 85
  Component Side w0.2: U1.56@53.75,43.65 53.75,45.364 55.6,47.214 55.6,49.703 55.6,50.801 56.8,52.001 56.8,57.927 56.4,58.327 56.4,59.456 59.6,62.656 v1(59.6,68.6) ; J1.33@105.25,64.74 105.25,67.727 106.25,68.727 v1(106.25,69.5)
  Bottom Layer w0.2: v1(59.6,68.6) 60.2,69.2 69.086,69.2 73.436,73.55 83.732,73.55 85.782,75.6 96.423,75.6 98.023,74 101.851,74 106.25,69.601 v1(106.25,69.5)
PA27_LCDHSYNC_PWML0_SPI1_NPCS2_H4: J1.32 U1.44 | length 86.6
  Component Side w0.2: U1.44@44.15,43.65 44.15,45.4 49.5,50.75 49.5,55 53.55,59.05 53.55,61.3 v1(54.25,62) ; J1.32@104.75,64.74 104.75,67.864 105.25,68.363 v1(105.25,68.75)
  Bottom Layer w0.2: v1(54.25,62) 61,68.75 69.273,68.75 73.623,73.1 83.918,73.1 85.968,75.15 96.236,75.15 97.836,73.55 101.664,73.55 105.25,69.965 v1(105.25,68.75)
PA28_LCDPCK_PWMH1_SP1_NPCS3_G3: J1.30 U1.74 | length 69.2
  Component Side w0.2: U1.74@68.1,43.7 U1.74@68.15,43.65 v1(68.15,67.1) ; J1.30@103.75,64.74 v1(103.75,68.75)
  Bottom Layer w0.2: v1(68.15,67.1) 68.896,67.1 73.996,72.2 84.291,72.2 86.341,74.25 95.864,74.25 97.464,72.65 101.292,72.65 103.75,70.192 v1(103.75,68.75)
PA29_LCDDEN_PWML1_J5: J1.34 U1.46 | length 93.1
  Component Side w0.2: U1.46@45.75,43.65 45.75,45.564 49.586,49.4 50.65,49.4 51.25,50 51.25,51.3 51.05,51.5 v1(51.25,51.5) ; v1(55.25,52.25) 55.9,52.9 55.9,57.554 55.5,57.955 55.5,59.863 58.25,62.614 58.25,64.419 58.5,64.669 v1(58.5,68.75) ; J1.34@105.75,64.74 105.75,67.5 v1(107,68.75)
  Bottom Layer w0.2: v1(51.25,51.5) 54.5,51.5 v1(55.25,52.25) ; v1(58.5,68.75) 59.4,69.65 68.9,69.65 73.25,74 83.546,74 85.596,76.05 96.609,76.05 98.209,74.45 102.219,74.45 107,69.669 v1(107,68.75)
PA30_TWD0_D3: R104.2 U1.140 | length 3.7
  Component Side w0.2: R104.2@64.3,83.25 64.3,82.45 64.4,82.35 65.65,82.35 65.75,82.25 U1.140@65.75,80.85
PA31_TWCK0_J4: R105.2 U1.139 | length 3
  Component Side w0.2: U1.139@66.55,80.85 66.55,82.35 67.2,83 R105.2@67.8,83
PB1_G0_RXCK_SCK2_ISI_PCK_A2: U1.93
PB3_G0_TXER_CTS2_ISI_VSYNC_C2: U1.94
PB10_G0_RX2_PCK2_PWML1_F1: U1.100
PB11_G0_RX3_RTS2_PWMH1_K4: U1.108
PB14_G0_TX2_SPI2_NPCS1_PWMH0_A1: R123.2 R125.2 U1.97 | length 16.4
  Component Side w0.25: U1.97@78.35,55.45 79.946,55.45 80.6,54.796 80.6,43.846 81.25,43.196 R123.2@81.25,42.45 ; R123.2@81.25,42.2 R125.2@82.5,42.2